# Allegro board BeagleBone AI -64_PCB_V1.02_211119.brd (continued)
## Routing (per net, layer and track width the routed paths; a pad name or vN(x,y) marks a point on that pad's centre or on a via; arc(x,y) is an arc through that point) (continued)
CSI1_RX1_N: length 136.8
  TOP w0.106: v1(0.53,73.26) 0.8,72.98 0.8,71.26 0.69,71.14 J15.5
  TOP w0.119: v1(-6.69,39.98) -6.29,40.38 U19.D15
  L12-SIGNAL w0.103: v1(-6.69,39.98) -6.69,39.73 -7.09,39.34 -7.09,39.02 -6.86,38.79 -6.54,38.79 -6.3,38.55 -6.3,37.51 -6.52,37.29 -6.52,35.53 -7.05,35 -7.87,35 -8.4,34.47 -8.4,32.74 -11.01,30.13 -11.41,30.13 -11.93,30.65 -12.07,30.65 -12.22,30.5 -12.22,30.35 -11.7,29.84 -11.7,29.44 -12.31,28.83 -13.4,28.83 -16.25,25.99 -24.05,25.99 -26.97,28.91 -26.97,29.29 -27.07,29.39 -27.75,29.39 -28.04,29.67 -28.04,30.13 -27.75,30.41 -27.07,30.41 -26.97,30.52 -26.97,30.81 -34.66,38.5 -34.8,38.5 -35.01,38.29 -35.41,38.29 -35.74,38.62 -35.74,39.01 -35.53,39.23 -35.53,39.37 -35.69,39.54 -35.71,39.54 -36.1,39.93 -36.1,39.94 -36.27,40.12 -36.42,40.12 -36.98,39.55 -37.38,39.55 -37.71,39.88 -37.71,40.27 -37.14,40.84 -37.14,40.99 -37.29,41.13 -37.44,41.13 -38,40.57 -38.4,40.57 -38.73,40.89 -38.73,41.29 -38.16,41.86 -38.16,42 -38.31,42.15 -38.45,42.15 -39.02,41.58 -39.42,41.58 -39.74,41.91 -39.74,42.31 -39.18,42.87 -39.18,43.02 -39.41,43.26 -39.41,60.56 -28.64,71.32 -27.49,71.32 -27.21,71.04 -27.21,70.87 -27.11,70.77 -26.9,70.77 -26.8,70.87 -26.8,71.04 -26.52,71.32 -26.06,71.32 -25.77,71.04 -25.77,70.87 -25.67,70.77 -25.46,70.77 -25.36,70.87 -25.36,71.04 -25.08,71.32 -24.62,71.32 -24.34,71.04 -24.34,70.87 -24.23,70.77 -24.03,70.77 -23.92,70.87 -23.92,71.04 -23.64,71.32 -22.47,71.32 -21.28,72.52 -13.39,72.52 -13.28,72.62 -13.28,72.85 -13,73.13 -12.54,73.13 -12.26,72.85 -12.26,72.62 -12.16,72.52 -11.95,72.52 -11.85,72.62 -11.85,72.85 -11.56,73.13 -11.11,73.13 -10.82,72.85 -10.82,72.62 -10.72,72.52 -10.51,72.52 -10.41,72.62 -10.41,72.85 -10.13,73.13 -9.67,73.13 -9.39,72.85 -9.39,72.62 -9.28,72.52 -9.08,72.52 -8.97,72.62 -8.97,72.85 -8.69,73.13 -8.23,73.13 -7.95,72.85 -7.95,72.62 -7.85,72.52 -7.64,72.52 -7.54,72.62 -7.54,72.85 -7.26,73.13 -6.8,73.13 -6.51,72.85 -6.51,72.62 -6.41,72.52 -6.2,72.52 -6.1,72.62 -6.1,72.85 -5.82,73.13 -5.36,73.13 -5.08,72.85 -5.08,72.62 -4.97,72.52 -4.77,72.52 -4.66,72.62 -4.66,72.85 -4.38,73.13 -3.92,73.13 -3.64,72.85 -3.64,72.62 -3.54,72.52 -1.9,72.52 -1.8,72.62 -1.8,73 -1.52,73.28 -1.06,73.28 -0.78,73 -0.78,72.62 -0.67,72.52 0.59,72.52 0.76,72.68 0.76,73.03 v1(0.53,73.26)
CSI1_RX1_P: length 136.8
  TOP w0.106: v1(1.29,73.26) 1.07,73.03 1.07,71.26 1.19,71.14 J15.6
  TOP w0.119: U19.C16 -7.09,39.58 v1(-7.49,39.18)
  L12-SIGNAL w0.103: v1(1.29,73.26) 1.06,73.03 1.06,72.56 0.72,72.21 -0.8,72.21 -1.08,72.5 -1.08,72.87 -1.19,72.98 -1.39,72.98 -1.5,72.87 -1.5,72.5 -1.78,72.21 -3.66,72.21 -3.95,72.5 -3.95,72.72 -4.05,72.82 -4.26,72.82 -4.36,72.72 -4.36,72.5 -4.64,72.21 -5.1,72.21 -5.38,72.5 -5.38,72.72 -5.49,72.82 -5.69,72.82 -5.8,72.72 -5.8,72.5 -6.08,72.21 -6.54,72.21 -6.82,72.5 -6.82,72.72 -6.92,72.82 -7.13,72.82 -7.23,72.72 -7.23,72.5 -7.51,72.21 -7.97,72.21 -8.26,72.5 -8.26,72.72 -8.36,72.82 -8.57,72.82 -8.67,72.72 -8.67,72.5 -8.95,72.21 -9.41,72.21 -9.69,72.5 -9.69,72.72 -9.8,72.82 -10,72.82 -10.11,72.72 -10.11,72.5 -10.39,72.21 -10.85,72.21 -11.13,72.5 -11.13,72.72 -11.23,72.82 -11.44,72.82 -11.54,72.72 -11.54,72.5 -11.82,72.21 -12.28,72.21 -12.56,72.5 -12.56,72.72 -12.67,72.82 -12.88,72.82 -12.98,72.72 -12.98,72.5 -13.26,72.21 -20.1,72.21 -20.2,72.11 -20.2,72.01 -20.31,71.91 -20.51,71.91 -20.62,72.01 -20.62,72.11 -20.72,72.21 -21.15,72.21 -22.35,71.02 -23.52,71.02 -23.62,70.92 -23.62,70.74 -23.9,70.46 -24.36,70.46 -24.64,70.74 -24.64,70.92 -24.75,71.02 -24.95,71.02 -25.06,70.92 -25.06,70.74 -25.34,70.46 -25.8,70.46 -26.08,70.74 -26.08,70.92 -26.18,71.02 -26.39,71.02 -26.49,70.92 -26.49,70.74 -26.77,70.46 -27.23,70.46 -27.52,70.74 -27.52,70.92 -27.62,71.02 -28.52,71.02 -39.11,60.43 -39.11,43.38 -38.87,43.15 -38.87,42.75 -39.44,42.18 -39.44,42.04 -39.29,41.89 -39.14,41.89 -38.58,42.45 -38.18,42.45 -37.85,42.13 -37.85,41.73 -38.42,41.16 -38.42,41.02 -38.27,40.87 -38.13,40.87 -37.56,41.44 -37.16,41.44 -36.84,41.11 -36.84,40.71 -37.4,40.15 -37.4,40 -37.26,39.85 -37.11,39.85 -36.54,40.42 -36.15,40.42 -35.8,40.07 -35.8,40.06 -35.58,39.84 -35.57,39.84 -35.22,39.5 -35.22,39.1 -35.43,38.89 -35.43,38.74 -35.29,38.6 -35.14,38.6 -34.93,38.81 -34.53,38.81 -31.8,36.08 -31.66,36.08 -31.61,36.12 -31.47,36.12 -31.32,35.98 -31.32,35.83 -31.37,35.79 -31.37,35.64 -26.66,30.94 -26.66,30.39 -26.95,30.11 -27.63,30.11 -27.73,30 -27.73,29.8 -27.63,29.69 -26.95,29.69 -26.66,29.41 -26.66,29.03 -23.92,26.29 -16.38,26.29 -14.74,27.93 -14.74,28.07 -14.8,28.13 -14.8,28.28 -14.65,28.42 -14.5,28.42 -14.45,28.37 -14.3,28.37 -13.53,29.14 -12.44,29.14 -12.01,29.57 -12.01,29.71 -12.52,30.23 -12.52,30.63 -12.2,30.95 -11.8,30.95 -11.28,30.44 -11.14,30.44 -10,31.58 -10,31.72 -10.12,31.84 -10.12,31.99 -9.97,32.14 -9.82,32.14 -9.7,32.02 -9.56,32.02 -8.71,32.87 -8.71,33.64 -8.9,33.83 -8.9,34.05 -8.71,34.25 -8.71,34.6 -7.99,35.31 -7.17,35.31 -6.82,35.66 -6.82,36.07 -6.93,36.17 -7.15,36.17 -7.26,36.28 -7.26,36.48 -7.15,36.59 -6.93,36.59 -6.82,36.69 -6.82,37.28 -7.09,37.55 -7.09,38.59 -7.39,38.89 -7.39,39.08 v1(-7.49,39.18)
CSI1_RX2_N: length 136.8
  TOP w0.106: v1(-23.16,73.31) -22.91,73.06 -22.91,72.73 -22.56,72.38 -21.35,72.38 -19.77,73.95 -19.29,73.95 -19.18,73.85 -19.18,73.75 -18.92,73.48 -18.49,73.48 -18.22,73.75 -18.22,73.85 -18.12,73.95 -17.91,73.95 -17.8,73.85 -17.8,73.75 -17.54,73.48 -15.23,73.48 -15.12,73.38 -15.12,72.43 -14.6,71.91 -11.42,71.91 -11.09,72.25 -11.09,73.85 -10.98,73.95 -5.57,73.95 -5.21,73.6 -5.21,72.61 -4.47,71.87 -2.3,71.87 -1.91,72.26 -1.91,73.17 -1.13,73.95 2.99,73.95 3.8,73.15 3.8,71.26 3.69,71.14 J15.11
  TOP w0.119: v1(-5.09,39.98) -5.49,40.38 U19.D14
  L12-SIGNAL w0.103: v1(-23.16,73.31) -22.93,73.08 -22.93,72.82 -23.16,72.59 -29.08,72.59 -40.63,61.04 -40.63,41 -36.42,36.78 -34.79,36.78 -30.17,32.16 -30.17,30.41 -24.63,24.87 -15.87,24.87 -13.89,26.85 -13.23,26.85 -12.36,27.71 -9.9,27.71 -9.57,28.04 -9.57,29.85 -8.72,30.7 -7.45,30.7 -7.11,31.04 -7.11,33.05 -6.52,33.63 -6.01,33.63 -5.65,33.99 -5.65,39.53 -5.7,39.59 -5.65,39.73 -5.12,39.99 v1(-5.09,39.98)
CSI1_RX2_P: length 136.8
  TOP w0.106: v1(-22.4,73.31) -22.64,73.06 -22.64,72.84 -22.45,72.65 -21.46,72.65 -21.17,72.93 -21.17,73.08 -21.21,73.12 -21.21,73.27 -21.06,73.42 -20.91,73.42 -20.87,73.38 -20.72,73.38 -19.88,74.22 -19.18,74.22 -18.92,73.96 -18.92,73.86 -18.81,73.75 -18.6,73.75 -18.49,73.86 -18.49,73.96 -18.23,74.22 -17.8,74.22 -17.53,73.96 -17.53,73.86 -17.43,73.75 -15.12,73.75 -14.85,73.49 -14.85,72.54 -14.49,72.18 -11.53,72.18 -11.35,72.36 -11.35,73.96 -11.09,74.22 -5.45,74.22 -4.95,73.71 -4.95,72.72 -4.36,72.14 -2.41,72.14 -2.18,72.37 -2.18,73.28 -1.24,74.22 3.11,74.22 4.07,73.26 4.07,71.26 4.19,71.14 J15.12
  TOP w0.119: v1(-6.69,39.18) -6.29,39.58 U19.C15
  L12-SIGNAL w0.103: v1(-6.69,39.18) -6.68,39.23 -6.16,39.49 -5.96,39.44 -5.96,39.43 -5.96,34.12 -6.14,33.94 -6.65,33.94 -7.41,33.17 -7.41,31.17 -7.57,31 -8.84,31 -9.87,29.97 -9.87,29.55 -9.98,29.44 -10.05,29.44 -10.15,29.34 -10.15,29.13 -10.05,29.03 -9.98,29.03 -9.87,28.93 -9.87,28.17 -10.03,28.02 -10.63,28.02 -10.73,28.12 -10.73,28.19 -10.84,28.3 -11.04,28.3 -11.15,28.19 -11.15,28.12 -11.25,28.02 -12.49,28.02 -12.61,27.9 -12.84,27.9 -13.02,27.72 -13.02,27.49 -13.35,27.15 -14.01,27.15 -16,25.17 -24.51,25.17 -29.86,30.53 -29.86,32.28 -34.66,37.09 -36.29,37.09 -40.33,41.12 -40.33,60.91 -28.95,72.29 -23.03,72.29 -22.63,72.7 -22.63,73.08 v1(-22.4,73.31)
CSI1_RX3_N: length 137.2
  TOP w0.106: J15.14 5.19,71.14 5.3,71.26 5.3,72.95 v1(5.03,73.23)
  TOP w0.119: U19.E13 -4.69,41.18 v1(-4.29,40.78)
  L12-SIGNAL w0.103: v1(-4.29,40.78) -3.9,40.39 -3.9,39.82 -3.9,37.32 -4.1,37.12 -4.1,35.82 -4.24,35.69 -4.24,33.73 -5.81,32.16 -5.81,29.08 -9.44,25.45 -13.58,25.45 -15.21,23.83 -25.19,23.83 -31.57,30.2 -31.57,32.23 -34.69,35.36 -36.59,35.36 -41.8,40.57 -41.8,61.47 -29.05,74.22 2.29,74.22 3.99,72.52 5.06,72.52 5.26,72.71 5.26,73 v1(5.03,73.23)
CSI1_RX3_P: length 137.2
  TOP w0.106: J15.15 5.69,71.14 5.57,71.26 5.57,73.01 v1(5.79,73.23)
  TOP w0.119: v1(-5.09,40.78) -5.49,41.18 U19.E14
  L12-SIGNAL w0.103: v1(5.79,73.23) 5.56,73 5.56,72.59 5.19,72.21 3.87,72.21 2.17,73.92 -28.92,73.92 -41.5,61.34 -41.5,40.69 -36.47,35.66 -34.56,35.66 -31.26,32.36 -31.26,30.33 -25.06,24.13 -15.33,24.13 -13.71,25.76 -9.57,25.76 -7.24,28.09 -7.24,28.23 -7.27,28.27 -7.27,28.41 -7.12,28.56 -6.98,28.56 -6.95,28.53 -6.8,28.53 -6.12,29.21 -6.12,29.57 -6.22,29.67 -6.29,29.67 -6.39,29.77 -6.39,29.98 -6.29,30.08 -6.22,30.08 -6.12,30.19 -6.12,32.28 -4.54,33.86 -4.54,35.82 -4.41,35.95 -4.41,36.3 -4.51,36.4 -4.61,36.4 -4.72,36.51 -4.72,36.71 -4.61,36.82 -4.51,36.82 -4.41,36.92 -4.41,37.13 -4.68,37.41 -4.68,39.02 -4.69,39.02 -4.69,39.35 -4.68,39.35 -4.68,40.38 v1(-5.09,40.78)
CSI1_RXCLK_N: length 136.1
  TOP w0.106: J15.8 2.19,69.48 2.3,69.37 2.3,69.15 1.86,68.71 -4.62,68.71 -7.49,71.58 -8.44,71.58 -8.71,71.32 -8.71,70.87 v1(-8.94,70.64)
  TOP w0.119: U19.B17 -7.89,38.78 v1(-8.29,38.38)
  L12-SIGNAL w0.103: v1(-8.29,38.38) -8.5,38.38 -8.69,38.19 -8.69,36.95 -9.35,36.3 -14.57,36.3 -14.73,36.15 -14.73,34.34 -14.57,34.19 -13.89,34.19 -13.5,33.8 -13.5,32.63 -14.45,31.68 -14.85,31.68 -15.22,32.06 -15.41,32.06 -15.52,31.96 -15.52,31.77 -15.14,31.39 -15.14,30.99 -16.62,29.52 -19.5,29.52 -20.77,30.79 -21.66,30.79 -22.04,31.17 -22.04,33.43 -22.17,33.56 -22.8,33.56 -22.9,33.45 -22.9,30.96 -23.39,30.48 -24.1,30.48 -24.78,31.17 -24.78,31.93 -26.86,34.01 -26.86,34.4 -26.28,34.98 -26.28,35.13 -26.43,35.28 -26.57,35.28 -27.15,34.7 -27.55,34.7 -28.72,35.87 -28.72,37.04 -28.82,37.14 -29.2,37.14 -29.48,37.42 -29.48,37.88 -29.2,38.17 -28.82,38.17 -28.72,38.27 -28.72,38.64 -29.03,38.94 -29.17,38.94 -29.37,38.74 -29.77,38.74 -30.09,39.07 -30.09,39.47 -29.9,39.66 -29.9,39.81 -30.67,40.58 -30.81,40.58 -31.32,40.08 -31.72,40.08 -32.04,40.41 -32.04,40.8 -31.54,41.31 -31.54,41.45 -31.74,41.66 -34.74,41.66 -36.7,43.62 -36.7,48.59 -36.94,48.83 -36.94,51.01 -37.04,51.11 -37.15,51.11 -37.43,51.4 -37.43,51.86 -37.15,52.14 -37.04,52.14 -36.94,52.24 -36.94,53.58 -37.04,53.69 -37.18,53.69 -37.46,53.97 -37.46,54.43 -37.18,54.71 -37.04,54.71 -36.94,54.81 -36.94,55.02 -37.04,55.12 -37.18,55.12 -37.46,55.4 -37.46,55.86 -37.18,56.15 -37.04,56.15 -36.94,56.25 -36.94,60.04 -29.05,67.92 -27.63,67.92 -27.52,68.02 -27.52,68.36 -27.24,68.64 -26.78,68.64 -26.5,68.36 -26.5,68.02 -26.4,67.92 -26.19,67.92 -26.09,68.02 -26.09,68.36 -25.8,68.64 -25.35,68.64 -25.06,68.36 -25.06,68.02 -24.96,67.92 -24.75,67.92 -24.65,68.02 -24.65,68.36 -24.37,68.64 -23.91,68.64 -23.63,68.36 -23.63,68.02 -23.52,67.92 -23.32,67.92 -23.21,68.02 -23.21,68.36 -22.93,68.64 -22.47,68.64 -22.19,68.36 -22.19,68.02 -22.09,67.92 -21.88,67.92 -21.78,68.02 -21.78,68.36 -21.5,68.64 -21.04,68.64 -20.75,68.36 -20.75,68.02 -20.65,67.92 -20.44,67.92 -20.34,68.02 -20.34,68.36 -20.06,68.64 -19.6,68.64 -19.32,68.36 -19.32,68.02 -19.21,67.92 -19.01,67.92 -18.9,68.02 -18.9,68.36 -18.62,68.64 -18.16,68.64 -17.88,68.36 -17.88,68.02 -17.78,67.92 -17.57,67.92 -17.47,68.02 -17.47,68.36 -17.19,68.64 -16.73,68.64 -16.44,68.36 -16.44,68.02 -16.34,67.92 -16.13,67.92 -16.03,68.02 -16.03,68.36 -15.75,68.64 -15.29,68.64 -15.01,68.36 -15.01,68.02 -14.9,67.92 -14.7,67.92 -14.59,68.02 -14.59,68.36 -14.31,68.64 -13.85,68.64 -13.57,68.36 -13.57,68.02 -13.47,67.92 -13.26,67.92 -13.16,68.02 -13.16,68.36 -12.88,68.64 -12.42,68.64 -12.13,68.36 -12.13,68.02 -12.03,67.92 -10.61,67.92 -9.85,68.69 -9.85,68.83 -10.21,69.2 -10.21,69.59 -9.88,69.92 -9.48,69.92 -9.12,69.56 -8.97,69.56 -8.71,69.82 -8.71,70.41 v1(-8.94,70.64)
CSI1_RXCLK_P: length 136
  TOP w0.106: v1(-9.09,37.58) -8.69,37.98 U19.A18 ; v1(-8.18,70.64) -8.44,70.9 -8.44,71.21 -8.33,71.31 -7.6,71.31 -4.73,68.44 1.97,68.44 2.57,69.04 2.57,69.37 2.69,69.48 J15.9
  L12-SIGNAL w0.103: v1(-8.18,70.64) -8.41,70.41 -8.41,69.69 -8.85,69.25 -9.25,69.25 -9.61,69.62 -9.76,69.62 -9.9,69.47 -9.9,69.32 -9.54,68.96 -9.54,68.56 -10.48,67.62 -12.16,67.62 -12.44,67.9 -12.44,68.24 -12.54,68.34 -12.75,68.34 -12.85,68.24 -12.85,67.9 -13.13,67.62 -13.59,67.62 -13.88,67.9 -13.88,68.24 -13.98,68.34 -14.19,68.34 -14.29,68.24 -14.29,67.9 -14.57,67.62 -15.03,67.62 -15.31,67.9 -15.31,68.24 -15.42,68.34 -15.62,68.34 -15.73,68.24 -15.73,67.9 -16.01,67.62 -16.47,67.62 -16.75,67.9 -16.75,68.24 -16.85,68.34 -17.06,68.34 -17.16,68.24 -17.16,67.9 -17.44,67.62 -17.9,67.62 -18.19,67.9 -18.19,68.24 -18.29,68.34 -18.5,68.34 -18.6,68.24 -18.6,67.9 -18.88,67.62 -19.34,67.62 -19.62,67.9 -19.62,68.24 -19.73,68.34 -19.93,68.34 -20.04,68.24 -20.04,67.9 -20.32,67.62 -20.78,67.62 -21.06,67.9 -21.06,68.24 -21.16,68.34 -21.37,68.34 -21.47,68.24 -21.47,67.9 -21.75,67.62 -22.21,67.62 -22.5,67.9 -22.5,68.24 -22.6,68.34 -22.81,68.34 -22.91,68.24 -22.91,67.9 -23.19,67.62 -23.65,67.62 -23.93,67.9 -23.93,68.24 -24.04,68.34 -24.24,68.34 -24.35,68.24 -24.35,67.9 -24.63,67.62 -25.09,67.62 -25.37,67.9 -25.37,68.24 -25.47,68.34 -25.68,68.34 -25.78,68.24 -25.78,67.9 -26.06,67.62 -26.52,67.62 -26.8,67.9 -26.8,68.24 -26.91,68.34 -27.12,68.34 -27.22,68.24 -27.22,67.9 -27.5,67.62 -28.92,67.62 -36.63,59.91 -36.63,56.12 -36.91,55.84 -37.05,55.84 -37.15,55.74 -37.15,55.53 -37.05,55.43 -36.91,55.43 -36.63,55.15 -36.63,54.69 -36.91,54.4 -37.05,54.4 -37.15,54.3 -37.15,54.09 -37.05,53.99 -36.91,53.99 -36.63,53.71 -36.63,52.11 -36.91,51.83 -37.03,51.83 -37.13,51.73 -37.13,51.52 -37.03,51.42 -36.91,51.42 -36.63,51.14 -36.63,48.96 -36.39,48.72 -36.39,43.74 -34.61,41.96 -31.62,41.96 -31.23,41.58 -31.23,41.18 -31.74,40.68 -31.74,40.53 -31.59,40.38 -31.44,40.38 -30.94,40.89 -30.54,40.89 -29.59,39.94 -29.59,39.54 -29.79,39.34 -29.79,39.19 -29.64,39.05 -29.5,39.05 -29.3,39.24 -28.9,39.24 -28.42,38.76 -28.42,38.14 -28.7,37.86 -29.07,37.86 -29.18,37.76 -29.18,37.55 -29.07,37.45 -28.7,37.45 -28.42,37.17 -28.42,35.99 -27.43,35 -27.28,35 -26.7,35.58 -26.3,35.58 -25.98,35.26 -25.98,34.86 -26.55,34.28 -26.55,34.13 -24.48,32.06 -24.48,31.29 -23.97,30.79 -23.51,30.79 -23.21,31.09 -23.21,33.58 -22.93,33.86 -22.04,33.86 -21.74,33.55 -21.74,31.29 -21.53,31.09 -20.64,31.09 -19.37,29.82 -18.7,29.82 -18.6,29.92 -18.6,30.02 -18.49,30.13 -18.29,30.13 -18.18,30.02 -18.18,29.92 -18.08,29.82 -17.85,29.82 -17.72,29.95 -17.44,29.95 -17.31,29.82 -16.74,29.82 -16.29,30.28 -16.29,30.54 -16.12,30.72 -15.85,30.72 -15.45,31.12 -15.45,31.26 -15.82,31.64 -15.82,32.08 -15.54,32.36 -15.1,32.36 -14.72,31.99 -14.58,31.99 -13.8,32.76 -13.8,33.67 -14.01,33.89 -14.7,33.89 -15.03,34.22 -15.03,36.27 -14.7,36.6 -13.87,36.6 -13.76,36.71 -13.76,36.75 -13.66,36.86 -13.45,36.86 -13.35,36.75 -13.35,36.71 -13.25,36.6 -13.04,36.6 -12.94,36.71 -12.94,36.75 -12.83,36.86 -12.63,36.86 -12.52,36.75 -12.52,36.71 -12.42,36.6 -12.21,36.6 -12.11,36.71 -12.11,36.75 -12.01,36.86 -11.8,36.86 -11.7,36.75 -11.7,36.71 -11.59,36.6 -11.39,36.6 -11.28,36.71 -11.28,36.75 -11.18,36.86 -10.97,36.86 -10.87,36.75 -10.87,36.71 -10.77,36.6 -10.56,36.6 -10.46,36.71 -10.46,36.75 -10.35,36.86 -10.15,36.86 -10.04,36.75 -10.04,36.71 -9.94,36.6 -9.47,36.6 -9,37.08 -9,37.48 v1(-9.09,37.58)
CSI1_RXRCALIB: length 1.3
  TOP w0.229: v1(-6.69,41.58) -6.29,41.98 U19.F15
  BOTTOM w0.381: v1(-6.69,41.58) -6.64,41.53 R98.1
D23_MCU_UART0_TXD: length 54.8
  TOP w0.229: v1(-13.09,39.98) -12.69,40.38 U19.D23
  L10-SIGNAL w0.102: v1(-13.09,39.98) -13.45,39.62 -13.45,36.05 -15.87,33.63 -15.87,30.51 -16.53,29.85 -16.53,27.87 -17.52,26.87 -17.52,23.39 -18.87,22.05 -18.87,16.18 -19.6,15.44 -19.6,11.76 v1(-20.26,11.1)
  L12-SIGNAL w0.102: v1(-20.26,11.1) -20.58,10.78 -23.46,10.78 -24.59,9.65 -36.69,9.65 -38.58,11.54 v1(-39.14,11.54)
  BOTTOM w0.165: J10.9 v1(-39.14,11.54)
D25_MCU_I3C0_SDA: length 13.7
  TOP w0.165: R211.1 -26.12,38.17 v1(-26.03,38.08)
  TOP w0.229: -14.69,39.98 v1(-14.69,39.98) -14.29,40.38 U19.D25
  L5-SIGNAL w0.102: v1(-14.69,39.98) -15.05,39.62 -20.01,39.62 -22.14,37.49 -25.44,37.49 v1(-26.03,38.08)
D26_MCU_I3C0_SCL: length 11.2
  TOP w0.165: v1(-22.29,37.87) -22.29,38.61 -21.9,39 R245.1
  TOP w0.229: U19.D26 -15.09,40.38 v1(-15.49,39.98)
  L3-SIGNAL w0.102: v1(-15.49,39.98) -15.93,40.42 -15.93,40.93 -16.14,41.14 -16.49,41.14 -16.69,40.95 -16.69,40.63 -16.93,40.39 -18.39,40.39 -20.63,38.15 -21.33,38.15 -21.61,37.87 v1(-22.29,37.87)
DC_VDD_5V: length 15.6
  L3-SIGNAL w0.381: v1(38.69,10.19) 41.97,10.19 42.59,9.56 47.19,9.56 49.52,7.24 v1(51.04,7.24)
  BOTTOM w0.165: P9.5 13.79,19.86 13.7,19.76 13.7,19.66 v1(13.79,19.66)
  BOTTOM w0.381: v1(51.04,7.24) R352.1 R350.1
  vias: v1(13.13,19.98) v1(14.76,19.53) v1(37.62,10.15) v1(37.62,9.7) v1(37.6,9.17) v1(38.13,9.12) v1(38.18,10.16) v1(38.16,9.65) v1(38.64,9.09) v1(38.67,9.65)
DDR0_CAL0: length 0.9
  TOP w0.229: U19.H2 v1(4.51,43.18)
  BOTTOM w0.254: R83.1 v1(4.51,43.18)
DP0_AUX_N: length 30.3
  TOP w0.106: v1(13,15.57) 12.76,15.32 12.76,13.9 12.26,13.4 11.38,13.4 11.12,13.14 11.12,12.91 11.42,12.62 L13.1
  L12-SIGNAL w0.103: v1(3.76,33.9) 3.5,33.64 3.5,33.49 3.8,33.19 3.8,19.55 4.55,18.8 10.09,18.8 12.78,16.11 12.78,15.79 v1(13,15.57)
  BOTTOM w0.152: C119.2 3.74,33.92 v1(3.76,33.9)
DP0_AUX_P: length 30.3
  TOP w0.106: L13.4 10.57,12.59 10.86,12.89 10.86,13.25 11.27,13.67 12.15,13.67 12.49,14.01 12.49,15.32 v1(12.24,15.57)
  L12-SIGNAL w0.103: v1(12.24,15.57) 12.48,15.81 12.48,15.98 9.96,18.49 4.43,18.49 3.5,19.42 3.5,33.06 3.19,33.36 3.19,33.67 v1(2.96,33.9)
  BOTTOM w0.152: C121.2 2.98,33.92 v1(2.96,33.9)
DP0_CONFIG1: length 3.3
  TOP w0.254: J7.4 9.23,1.88 9.84,1.88 10.23,1.5 R308.2
DP0_CONFIG2: length 3
  TOP w0.254: J7.6 9.75,2.36 10.11,2.36 10.99,1.48 R309.2
DP0_HPD: length 74.2
  TOP w0.165: v1(5.72,7.06) 5.74,7.08 R298.1 6.28,6.62 7.63,5.27 J7.2
  TOP w0.229: v1(2.91,53.59) 2.91,53.58 U19.Y4
  L3-SIGNAL w0.102: v1(17.56,6.53) 17.27,6.24 6.54,6.24 v1(5.72,7.06)
  L10-SIGNAL w0.102: v1(17.56,6.53) 16.61,7.48 16.61,8.49 16.85,8.73 16.85,17.38 15.81,18.42 15.81,31.24 14.99,32.06 v1(14.99,33.07)
  BOTTOM w0.114: v1(2.91,53.59) 3.31,53.19 3.56,53.19
  BOTTOM w0.137: 6.11,53.19 3.56,53.19
  BOTTOM w0.165: v1(14.99,33.07) 14.99,35.93 12.82,38.1 9.68,38.1 9.18,38.61 9.18,50.75 6.74,53.19 6.11,53.19
DP0_TX0_N: length 30.7
  L12-SIGNAL w0.103: v1(-2.76,35.74) -2.76,35.38 -2.99,35.15 -2.99,33.47 -3.33,33.13 -3.33,19.9 1.56,15.01 7.48,15.01 7.76,14.73 7.76,14.44 v1(7.99,14.21)
  BOTTOM w0.106: v1(-2.76,35.74) C174.2 ; v1(7.99,14.21) 8.06,14.14 L5.4
DP0_TX0_P: length 30.7
  L12-SIGNAL w0.103: v1(-3.52,35.74) -3.52,35.38 -3.29,35.15 -3.29,33.6 -3.63,33.26 -3.63,19.77 1.43,14.71 7.35,14.71 7.46,14.6 7.46,14.44 v1(7.23,14.21)
  BOTTOM w0.106: v1(7.23,14.21) 7.23,14.16 7.21,14.14 L5.1 ; v1(-3.52,35.74) C185.2
DP0_TX1_N: length 31.1
  L12-SIGNAL w0.103: v1(-0.86,35.18) -0.86,34.82 -1.07,34.61 -1.07,33.62 -1.26,33.43 -1.26,19.46 2.29,15.9 7.75,15.9 8.74,14.91 9.1,14.91 v1(9.35,15.17)
  BOTTOM w0.106: C151.2 -0.88,35.2 v1(-0.86,35.18) ; L4.4 10.74,13.83 10.45,14.12 10.45,14.69 10.19,14.95 9.57,14.95 v1(9.35,15.17)
DP0_TX1_P: length 31.2
  L12-SIGNAL w0.103: v1(9.35,14.4) 9.15,14.61 8.61,14.61 7.62,15.6 2.17,15.6 -1.57,19.33 -1.57,33.55 -1.37,33.75 -1.37,34.61 -1.58,34.82 v1(-1.58,35.18)
  BOTTOM w0.106: L4.1 9.89,13.82 10.18,14.11 10.18,14.58 10.08,14.69 9.64,14.69 v1(9.35,14.4) ; C164.2 -1.57,35.31
  BOTTOM w0.152: -1.57,35.31 -1.57,35.2 v1(-1.58,35.18)
DP0_TX2_N: length 31.7
  L12-SIGNAL w0.103: v1(11.44,15.14) 11.18,14.89 10.78,14.89 8.79,16.87 2.62,16.87 -0.27,19.76 -0.27,31.66 0.67,32.6 0.67,33.58 v1(0.9,33.81)
  BOTTOM w0.106: v1(0.9,33.81) C129.2 ; v1(11.44,15.14) 11.66,14.91 13.01,14.91 13.27,14.65 13.27,14.07 13.56,13.78 L3.4
DP0_TX2_P: length 31.8
  L12-SIGNAL w0.103: v1(0.14,33.81) 0.36,33.58 0.36,32.73 -0.58,31.79 -0.58,19.64 2.5,16.56 8.67,16.56 10.65,14.58 11.23,14.58 v1(11.44,14.38)
  BOTTOM w0.106: v1(11.44,14.38) 11.7,14.64 12.9,14.64 13,14.54 13,14.07 12.71,13.78 L3.1 ; v1(0.14,33.81) C135.2
DP0_TX3_N: length 34.6
  TOP w0.106: v1(10.71,16.41) 10.46,16.16 10.46,15.9 10.15,15.58 8.88,15.58 8.69,15.4 8.69,13.11 8.19,12.61 8.19,11.98 8.48,11.69 L12.1
  L12-SIGNAL w0.103: v1(2.18,35.29) 2.18,34.93 1.94,34.68 1.94,32.54 1.18,31.78 1.18,30.72 0.9,30.43 0.9,19.94 2.98,17.86 9.71,17.86 10.5,17.07 10.5,16.62 v1(10.71,16.41)
DP0_TX3_P: length 34.6
  TOP w0.106: L12.4 7.63,11.69 7.92,11.98 7.92,12.72 8.43,13.22 8.43,15.51 8.77,15.85 10.03,15.85 10.19,16.01 10.19,16.16 v1(9.94,16.41)
  L12-SIGNAL w0.103: v1(1.38,35.29) 1.38,34.93 1.63,34.68 1.63,32.66 0.88,31.91 0.88,30.84 0.59,30.56 0.59,19.81 2.85,17.55 9.58,17.55 10.19,16.94 10.19,16.66 v1(9.94,16.41)
DSI_I2C4_SCL: length 64.5
  TOP w0.165: v1(40.32,69.17) 40.37,69.17 40.65,69.45 J16.20
  TOP w0.229: v1(-9.89,56.79) -9.49,56.39 U19.AD19
  L5-SIGNAL w0.102: v1(8.64,60.83) 9.18,60.83 9.4,60.61 12.76,60.61 13.06,60.91 15.73,60.91 15.91,60.73 21,60.73 21.55,61.28 21.96,61.28 22.31,61.62 22.31,62.54 22.82,63.04 36.51,63.04 36.96,63.5 38.74,63.5 39.05,63.2 40.11,63.2 41.68,64.76 41.68,67.95 40.74,68.88 40.6,68.88 v1(40.32,69.17)
  L12-SIGNAL w0.102: v1(-9.89,56.79) -9.51,57.17 -9.51,57.41 -9.5,57.42 -9.5,57.69 -9.49,57.7 -9.49,57.75 -9.26,57.98 -9.21,57.98 -9.21,57.98 -5.28,57.98 -4.47,58.79 -4.13,58.79 -3.88,59.04 -3.88,59.35 -3.64,59.59 5.71,59.59 6.51,60.39 8.2,60.39 v1(8.64,60.83)
  BOTTOM w0.165: R75.2 9.06,61.08 8.82,60.83 v1(8.64,60.83)
DSI_I2C4_SDA: length 65.3
  TOP w0.165: J16.21 v1(41.15,69.42)
  TOP w0.229: U19.AD18 -8.69,56.39 v1(-9.09,56.79)
  L5-SIGNAL w0.102: v1(41.15,69.42) 41.9,68.66 41.9,64.4 38.82,61.32 37.17,61.32 36.58,61.9 32.1,61.9 31.76,61.56 29.28,61.56 28.23,62.61 23.15,62.61 22.54,62 22.54,61.06 21.98,60.5 15.7,60.5 15.12,59.92 13.77,59.92 13.32,59.46 11.21,59.46 10.32,60.35 9.35,60.35 9.02,60.02 v1(8.62,60.02)
  L12-SIGNAL w0.102: v1(8.62,60.02) 8.13,59.54 7.91,59.54 6.71,58.35 5.34,58.35 4.9,58.78 -3.65,58.78 -3.9,58.54 -3.9,58.22 -4.13,57.99 -4.47,57.99 -5.28,57.18 -8.7,57.18 v1(-9.09,56.79)
  BOTTOM w0.165: v1(8.62,60.02) 8.92,60.32 8.97,60.32 9.06,60.42 R76.2
DSI_TX0_N: length 93.8
  TOP w0.106: J16.2 31.68,70.28 31.68,69.59 31.43,69.42 31.05,69.42 v1(30.51,68.88)
  TOP w0.165: U19.D11 -3.09,40.38 v1(-2.69,39.98)
  L3-SIGNAL w0.103: v1(30.51,68.88) 30.74,68.66 30.74,67.64 31.48,66.91 34.14,66.91 35.52,65.53 35.52,57.94 32.77,55.2 32.77,49.81 34.32,48.26 34.32,42.88 32.54,41.1 32.54,33.66 31.32,32.44 25.15,32.44 24.87,32.16 24.87,32.03 24.77,31.93 24.56,31.93 24.46,32.03 24.46,32.16 24.18,32.44 23.54,32.44 23.26,32.16 23.26,30.51 23.15,30.41 22.95,30.41 22.84,30.51 22.84,32.16 22.56,32.44 21.64,32.44 21.35,32.16 21.35,32.06 21.25,31.96 21.04,31.96 20.94,32.06 20.94,32.16 20.66,32.44 20.2,32.44 19.92,32.16 19.92,32.06 19.81,31.96 19.61,31.96 19.5,32.06 19.5,32.16 19.22,32.44 17.3,32.44 17.02,32.16 17.02,31.91 16.92,31.8 16.71,31.8 16.61,31.91 16.61,32.16 16.33,32.44 15.96,32.44 15.7,32.69 11.06,32.69 9.74,31.37 6.81,31.37 6.66,31.52 6.39,31.52 6.24,31.37 5.7,31.37 5.11,31.95 5.11,33.56 3.92,34.75 2.42,34.75 2.14,34.47 2.14,34.06 2.03,33.95 1.83,33.95 1.72,34.06 1.72,34.47 1.44,34.75 0.59,34.75 -1.75,37.09 -1.75,37.2 -1.52,37.44 -1.52,38.52 -1.74,38.74 -1.96,38.74 -2.25,39.03 -2.25,39.26 -2.69,39.69 v1(-2.69,39.98)
DSI_TX0_P: length 93.8
  TOP w0.106: J16.3 32.15,69.62 32.01,69.49 31.53,69.17 31.3,69.01 v1(31.28,68.88)
  TOP w0.165: v1(-3.49,39.18) -3.89,39.58 U19.C12
  L3-SIGNAL w0.103: v1(-3.49,39.18) -3.2,39.18 -2.84,38.82 -2.53,38.82 -2.31,38.6 -2.31,37.47 -2.06,37.22 -2.06,36.97 0.46,34.44 1.31,34.44 1.42,34.34 1.42,33.93 1.7,33.65 2.16,33.65 2.44,33.93 2.44,34.34 2.54,34.44 3.79,34.44 4.81,33.43 4.81,31.83 5.57,31.07 9.86,31.07 11.18,32.39 15.58,32.39 15.83,32.13 16.2,32.13 16.3,32.03 16.3,31.78 16.58,31.5 17.04,31.5 17.33,31.78 17.33,32.03 17.43,32.13 19.1,32.13 19.2,32.03 19.2,31.94 19.48,31.66 19.94,31.66 20.22,31.94 20.22,32.03 20.33,32.13 20.53,32.13 20.64,32.03 20.64,31.94 20.92,31.66 21.38,31.66 21.66,31.94 21.66,32.03 21.76,32.13 22.44,32.13 22.54,32.03 22.54,30.38 22.82,30.1 23.28,30.1 23.56,30.38 23.56,32.03 23.67,32.13 24.05,32.13 24.15,32.03 24.15,31.91 24.43,31.62 24.89,31.62 25.18,31.91 25.18,32.03 25.28,32.13 31.45,32.13 32.85,33.53 32.85,40.97 34.63,42.75 34.63,48.39 33.08,49.94 33.08,55.07 35.82,57.81 35.82,65.66 34.27,67.21 31.6,67.21 31.05,67.77 31.05,68.66 v1(31.28,68.88)
